# Allegro board BeagleBone_AI-64_Rev_B1_PCB_220602.brd (continued)
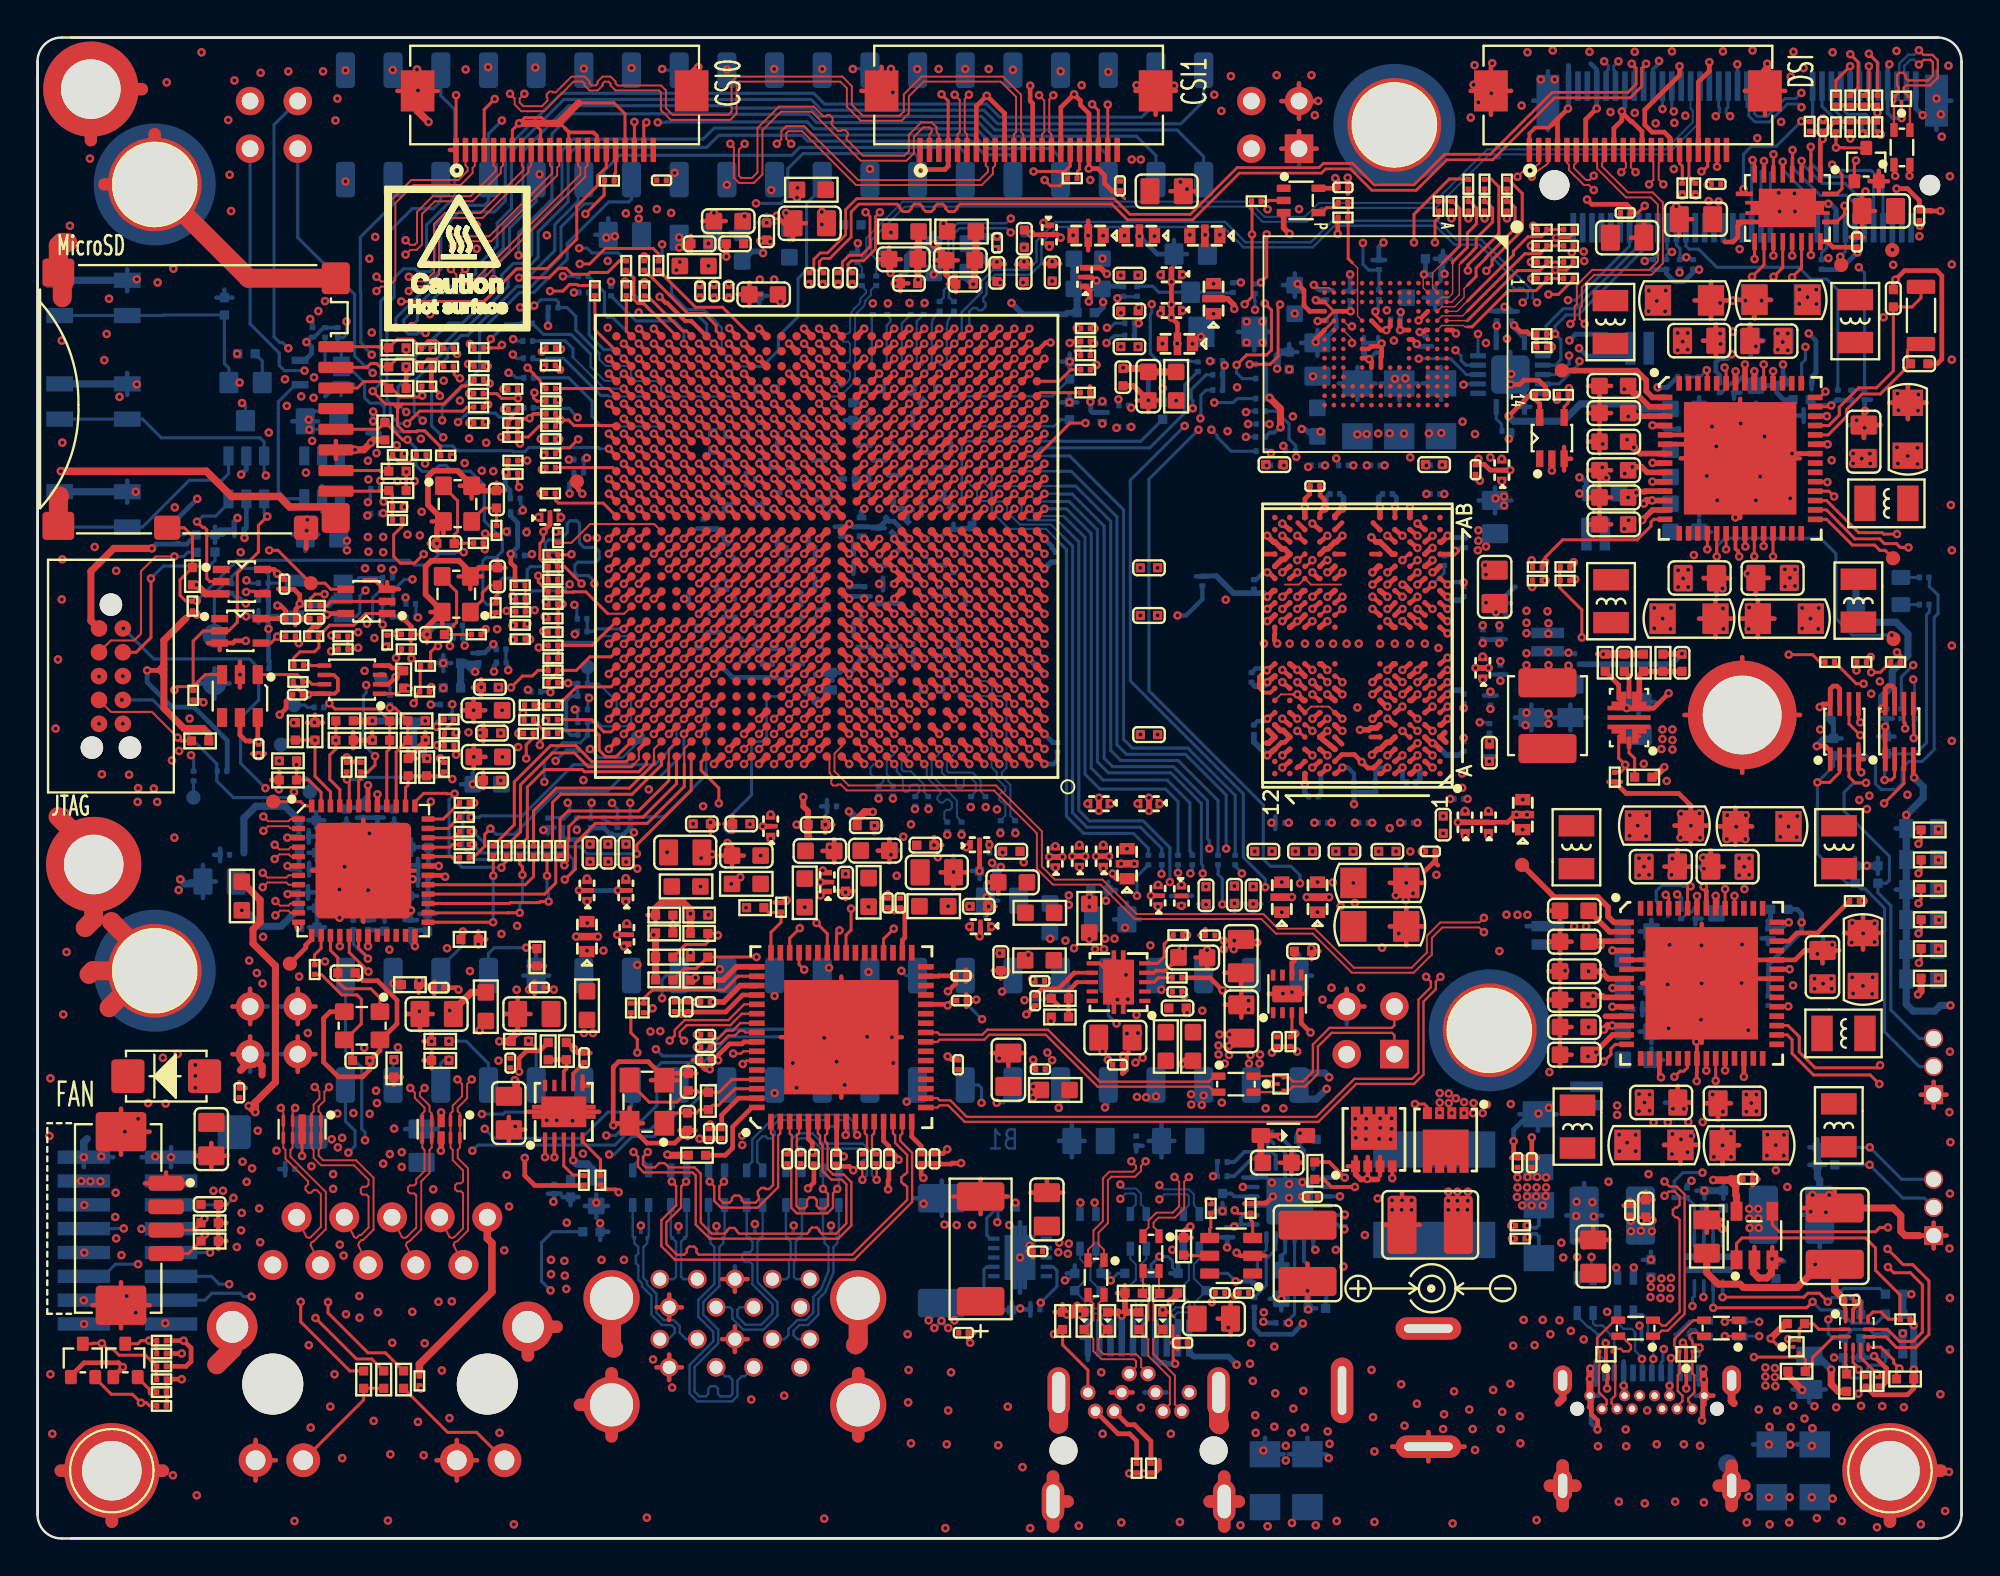
[diagram p0: board, top side]
## Routing (per net, layer and track width the routed paths; a pad name or vN(x,y) marks a point on that pad's centre or on a via; arc(x,y) is an arc through that point) (continued)
VDD_ADC_1V8_3V3_REG: length 1.6
  TOP w0.305: v1(85.16,55.74) 85.21,55.8 85.62,55.8 85.65,55.83 86.7,55.83 U30.11
  vias: v1(84.73,55.49)
VDD_CORE_0V8: length 108.4
  TOP w0.203: C393.3 v1(49.63,32.61) ; U29.22 v1(88.9,24.93) ; C432.1 v1(59.69,33.68) ; FL17.1 v1(40.46,71.47) ; C432.3 v1(59.69,34.84)
  TOP w0.254: C392.1 49.61,36.98 v1(49.48,36.85) ; C438.1 v1(60.94,34.84) ; v1(41.7,34.28) 41.91,34.49 C374.1
  TOP w0.305: v1(43.24,50.88) 42.84,51.28 U19.N14 ; U19.R16 41.24,52.88 v1(40.84,52.48) ; U19.L18 39.63,49.68 v1(39.23,49.28) ; v1(40.84,50.88) 41.24,51.28 U19.N16 ; v1(40.03,48.48) 40.44,48.88 U19.K17 ; U19.P13 43.64,52.08 v1(44.04,51.68) ; U19.U16 41.24,54.48 v1(40.84,54.88) ; FL14.1 v1(34.22,68.04) ; v1(41.64,53.28) 42.04,53.68 U19.T15 ; U19.K15 42.04,48.88 v1(41.64,48.48) ; U19.V20 38.03,55.28 v1(37.63,55.68) ; U19.L16 41.24,49.68 v1(40.84,49.28) ; v1(40.03,51.68) 40.44,52.08 U19.P17 ; U19.R18 39.63,52.88 v1(39.23,52.48) ; U19.P15 42.04,52.08 v1(41.64,51.68) ; U19.T17 40.44,53.68 v1(40.03,53.28) ; v1(37.63,52.48) 38.03,52.88 U19.R20 ; U19.L10 v1(46.44,49.28) ; U19.J10 v1(46.44,47.68) ; v1(41.64,50.08) 42.04,50.48 U19.M15 ; v1(39.23,50.88) 39.63,51.28 U19.N18 ; U19.V17 v1(40.03,55.68) ; U19.K11 v1(45.64,48.48) ; U19.T9 46.84,53.68 v1(47.24,53.28) ; v1(41.64,55.68) 42.04,55.28 U19.V15 ; v1(44.04,48.48) 43.64,48.88 U19.K13 ; C393.1 v1(50.82,32.61) ; U19.U18 v1(39.23,54.88) ; U19.W14 42.84,56.08 v1(42.44,56.49) ; U19.K9 v1(47.24,48.48) ; v1(42.44,54.88) 42.84,54.48 U19.U14 ; U19.R14 42.84,52.88 v1(43.24,52.48)
  TOP w0.381: FL21.1 48.46,69.89 v1(48.26,70.1) ; v1(40.49,71.99) 40.49,72.05 40.46,72.03 FL17.1
  TOP w0.406: FL20.1 v1(48.51,33.7)
  L5-SIGNAL w0.381: v1(48.26,70.1) 46.68,71.67 40.66,71.67 v1(40.46,71.47)
  L7-PWR/GND w0.203: v1(88.9,24.93) 88.01,25.82 86,25.82 84.78,24.6 82.47,24.6 81.81,25.26 81.81,29.15 80.11,30.85 72.51,30.85 72.24,30.57 53.32,30.57 53.1,30.34 50.52,30.34 49.53,31.33 40.1,31.33 39.19,32.25 39.19,34.56 42.42,37.79 42.42,37.85 42.42,37.86 42.42,38.24 42.42,38.24 42.42,47.7 v1(41.64,48.48)
  BOTTOM w0.152: v1(47.24,53.28) 47.26,53.26 47.37,53.26
  BOTTOM w0.203: C202.1 42.97,56.49 ; C123.1 50.72,36.96 v1(50.71,36.98) ; 43.44,52.5 43.44,53.09 v1(43.24,53.28) ; 43.13,53.39 43.11,53.41 C204.1
  BOTTOM w0.254: C207.3 41.58,55.63 v1(41.64,55.68) ; v1(42.44,56.49) 42.44,56.49 42.97,56.49 ; C192.1 44.05,50.75 43.23,50.75 ; C203.1 43.23,50.75 ; 43.23,50.75 43.23,50.88 v1(43.24,50.88) ; v1(43.24,53.28) 43.13,53.39 42.8,53.39 ; v1(50.71,36.98) 50.7,36.97 50.7,36.57 ; v1(42.44,54.88) 42.34,54.79 42.29,54.79 ; FL16.1 v1(40.87,33.65)
  BOTTOM w0.305: C219.3 40.75,49.19 v1(40.84,49.28) ; 41.84,50.04 41.68,50.04 v1(41.64,50.08) ; C219.1 41.54,48.39 v1(41.64,48.48)
  vias: v1(34.03,67.61) v1(41.83,35.6) v1(43.05,35.42) v1(49.64,33.7) v1(54.22,36.9) v1(54.23,35.75) v1(60.94,33.72) v1(62.25,34.75) v1(63.76,34.77) v1(64.76,34.75) v1(66.29,34.98) v1(66.29,33.38) v1(68.19,34.98) v1(68.19,33.38) v1(69.01,34.97) v1(69.42,33.7) v1(70.1,34.94) v1(70.18,33.87) v1(84.26,21.53) v1(84.28,20.64) v1(84.68,21.1) v1(84.82,38.55) v1(84.81,37.45) v1(85.14,21.51) v1(85.14,20.64) v1(85.25,38) v1(85.72,38.55) v1(85.69,37.44) v1(92.16,21.53) v1(92.13,20.41) v1(92.6,20.97) v1(92.85,38.5) v1(92.84,37.4) v1(93.04,21.51) v1(93.03,20.41) v1(93.28,37.95) v1(93.74,38.5) v1(93.72,37.39)
VDD_CORE_RAM_0V85: length 3.1
  TOP w0.254: U19.V16 41.23,55.29 v1(40.84,55.68) ; v1(44.04,55.68) 44.04,55.68 U19.V13 ; U19.L14 v1(43.24,49.28) ; U19.W19 v1(38.43,56.49)
  BOTTOM w0.203: C124.1 v1(51.32,35.79)
  BOTTOM w0.381: C124.1 51.11,35.75 v1(50.85,36.01)
  vias: v1(44.84,54.88)
VDD_CPU_AVS: length 66.2
  TOP w0.203: v1(90.98,52.87) 90.95,52.9 U30.22
  TOP w0.254: C437.3 v1(59.93,63.69) ; C426.1 v1(59.5,69.42) ; C441.3 v1(61.39,69.49) ; C426.3 v1(57.9,69.44) ; C441.1 v1(62.99,69.49) ; C437.1 v1(61.53,63.68) ; C444.1 v1(62.65,65.28) ; C444.3 v1(62.65,66.88)
  TOP w0.305: U19.N10 v1(45.64,51.68) 45.24,52.08 U19.P11 45.24,52.08 v1(45.64,52.48) ; U19.N10 46.04,51.28 v1(45.64,50.88) ; U19.N10 v1(46.44,50.88) ; U19.V11 45.24,55.28 v1(45.64,55.68) ; v1(44.84,53.28) 44.44,52.88 U19.R12 44.44,52.88 v1(44.04,53.28) ; U19.U10 46.04,54.48 v1(46.44,54.88) ; v1(47.24,55.68) 46.84,55.28 U19.V9 ; 51.11,67 C395.1 51.23,67 v1(51.28,66.95) ; v1(46.44,52.48) 46.04,52.88 U19.R10 46.04,52.88 v1(45.64,53.28) ; U19.W10 46.04,56.08 v1(46.44,56.49) ; v1(56,65.93) 56.06,65.98 56.06,66.51 55.83,66.73 C415.1 ; C415.3 56.62,67.73 56.94,67.4 v1(56.97,67.4)
  L10-SIGNAL w0.203: v1(44.04,54.88) 44.04,54.44 44.5,53.99 55.48,53.99 57.91,56.43 75.61,56.43 79.14,52.9 85.98,52.9 87.04,53.97 90.33,53.97 90.98,53.32 v1(90.98,52.87)
  BOTTOM w0.203: v1(45.64,52.48) 45.78,52.62 C168.1 ; C80.1 v1(70.31,58.86)
  BOTTOM w0.254: v1(46.44,54.88) 46.46,54.86 46.56,54.86 ; 45.59,54.78 45.59,54.84 v1(45.64,54.88) ; C105.1 62,64.08 v1(61.97,64.05)
  BOTTOM w0.305: C169.3 45.6,53.32 v1(45.64,53.28) ; C169.1 46.3,54.61 46.56,54.86 ; v1(46.44,54.88) 45.69,54.88 45.59,54.78 45.59,55.54 45.72,55.67 ; v1(44.04,54.88) 43.89,54.73 C195.1
  vias: v1(52.5,66.95) v1(54.05,67.02) v1(57.71,67.33) v1(57.71,65.32) v1(57.71,63.52) v1(59.81,67.35) v1(59.81,65.29) v1(61.01,67.36) v1(61.01,65.45) v1(70.81,58.87) v1(71.42,58.89) v1(72.03,58.91) v1(72.79,58.89) v1(74.12,58.9) v1(74.78,58.93) v1(86.13,49.6) v1(86.13,48.51) v1(86.57,49.03) v1(87.02,49.6) v1(86.99,48.48) v1(93.86,66.57) v1(93.85,65.8) v1(94,49.6) v1(94,48.51) v1(94.29,66.16) v1(94.44,49.03) v1(94.76,66.57) v1(94.77,65.8) v1(94.87,48.48) v1(94.89,49.6)
VDD_CPU_RAM_0V85: length 11.2
  TOP w0.254: U19.L11 v1(45.64,49.28) ; U19.W12 44.84,56.48 v1(44.84,56.49)
  L5-SIGNAL w0.152: v1(45.64,49.28) 45.22,49.7 43.88,49.7 43.65,49.92 43.65,55.86 43.86,56.07 44.43,56.07 v1(44.84,56.49)
  BOTTOM w0.165: v1(56.03,34.18) 56.11,34.26 C112.1
  vias: v1(51.11,38.86) v1(56.03,33.67)
VDD_DDR_1V1: length 70.5
  TOP w0.102: U25.F8 68.79,44.34 68.45,44.34 68.45,44.34 68.18,44.34 68.18,44.34 67.84,44.34 U25.F10 ; 69.45,50.84 67.84,50.84 U25.U10 67.19,50.84 66.45,50.84
  TOP w0.203: U25.H12 65.68,45.08 65.34,45.08 65.07,45.35 65.07,45.94 65.4,46.27 v1(65.49,46.27) ; C413.1 v1(55.5,35.78) ; C418.1 v1(56.77,35.71) ; v1(57.27,35.44) 57.27,35.32 57.43,35.16 C422.1 ; 68.33,56.1 C460.1
  TOP w0.229: 67.21,44.37 67.21,44.32 U25.F10 ; U19.T1 53.24,53.68
  TOP w0.254: C477.1 v1(78.01,56.35) ; 53.24,53.68 U19.T1 53.24,53.68 ; 53.24,53.68 53.24,53.68 ; 53.24,53.68 53.24,53.68 ; C475.1 v1(77.35,42.51) ; v1(48.84,50.08) 48.44,50.48 U19.M7 ; U25.N1 v1(75.11,48.24) ; U25.H1 v1(75.11,45.64) ; v1(48.84,53.28) 48.44,53.68 U19.T7 ; U25.N12 65.91,48.17 65.89,48.14 65.89,47.85 v1(66.04,47.7) ; U25.W12 65.34,52.47 ; 71.15,54.15 71.15,54.13 U25.AA5 ; v1(48.84,51.68) 48.44,52.08 U19.P7 ; v1(88.76,34.74) 88.72,34.74 88.72,34.69 88.9,34.51 U29.49 ; U19.N8 v1(48.04,50.88) ; C474.1 v1(77.29,37.46) ; U19.K7 v1(48.84,48.48) ; v1(69.51,51.5) 69.12,51.18 U25.U8 ; U25.U5 71.51,51.17 v1(71.11,50.84) ; U25.R12 v1(65.51,49.54) ; v1(49.64,47.68) 49.24,48.08 U19.J6 ; U25.B5 71.23,41.14 71.16,41.06 70.87,41.06 v1(70.55,41.39) 70.15,41.78 69.48,41.78 U25.B8 ; 76.61,56.69 76.61,56.6 v1(76.83,56.38) ; v1(69.51,50.19) 69.12,49.87 U25.R8 ; U25.AA8 69.5,54.15 ; U25.W5 71.05,52.47 ; U25.H5 71.51,45.31 v1(71.11,44.99) ; 68.33,56.1 68.33,55.59 68.57,55.35 v1(68.57,54.9) 68.31,54.64 U25.AB9 ; v1(49.64,52.49) 49.24,52.88 U19.R6 ; U25.F5 71.51,44.02 v1(71.11,43.69) ; U25.F8 v1(69.51,43.69) ; 65.49,46.27 65.91,46.62 U25.K12 ; C470.1 v1(74.88,38.5) ; U25.AA3 v1(73.51,53.45) ; U25.B10 67.23,41.14 67.15,41.14 67.08,41.07 ; v1(75.11,46.94) U25.K1 ; U25.U3 73.11,51.17 v1(73.51,51.5) ; 69.5,42.34 69.4,42.44 69.4,42.44 U25.D8 ; C479.1 v1(79.11,37.78) ; U25.R5 v1(71.11,50.19) ; U25.R1 v1(75.11,49.54) ; v1(47.24,50.08) 47.23,50.08 46.84,50.47 U19.M9 ; v1(67.91,46.29) U25.K10 ; U25.A4 72.31,40.77 v1(72.71,41.09) ; U25.D5 71.02,42.72 ; U19.L8 47.64,49.68 v1(48.04,49.28) ; U25.F3 73.11,44.02 v1(73.51,43.69) ; U19.J8 v1(48.04,47.68) ; U25.W8 69.59,52.47 ; 65.49,46.27 v1(65.49,46.27) ; U19.G8 47.71,46.4 v1(48.04,46.08) ; U25.N3 v1(72.71,48.89) ; v1(48.04,52.49) 47.64,52.88 U19.R8 ; 53.24,53.68 v1(53.64,53.28) ; v1(75.51,52.65) 75.64,52.65 75.46,52.47 U25.W1 ; U25.AA10 67.13,54.15 ; U25.N10 v1(67.91,48.89) ; C471.1 v1(76.05,37.45) ; U19.H7 v1(48.84,46.88) ; U25.A9 68.35,40.75 68.71,41.05 v1(68.71,41.09) ; U19.A1 v1(53.64,41.28) ; U25.B3 v1(73.51,41.74) ; v1(72.71,46.29) U25.K3 ; 75.93,42.72 v1(75.97,42.67) ; C477.3 v1(78.01,57.54) ; U25.AB4 v1(72.31,54.96) ; 73.92,36.62 v1(73.74,36.62)
  TOP w0.305: U25.H8 v1(69.51,44.99) ; 65.48,42.4 65.59,42.4 U25.D12 65.57,43.06 65.57,43.07 ; 74.72,42.72 74.97,42.96 ; 74.72,42.72 74.75,42.72 75.03,42.45 ; 74.72,42.72 U25.D1
  L9-PWR/GND w0.381: v1(88.76,34.74) 88.76,34.93 88.14,35.55 88.14,35.98 86.69,37.43 86.69,38.65 86.24,39.1 80.73,39.1 80.64,39.01
  BOTTOM w0.076: 64.69,46.17 64.67,46.16 C103.1 ; R39.1 74.93,52.4 ; C69.1 72.9,40.31
  BOTTOM w0.203: 68.25,39.59 68.23,39.57 C90.1 ; C50.1 v1(77.88,48.67) ; C82.1 68.84,55.67 ; C57.1 75.81,52.81 75.78,52.79 ; R42.1 71.27,39.77 ; C56.1 v1(76.99,48.67) ; R38.1 77.35,42.9 ; C115.1 54.33,41.88 ; C55.1 77.35,42.21 ; C116.1 54.26,52.57 54.24,52.59 ; R43.1 70.13,39.77 ; R44.1 69.85,57.2 ; C73.1 72.19,55.67
  BOTTOM w0.229: 72.9,40.31 72.89,40.31 72.72,40.48 ; 75.64,52.65 75.78,52.79 76.04,52.79 ; 68.84,55.67 68.81,55.67 68.66,55.52 ; 72.19,55.67 72.21,55.67 72.39,55.49 ; 53.72,53.26 53.66,53.26 ; 68.25,39.55 68.25,39.59 68.37,39.72 ; 65.13,46.38 64.89,46.38 64.69,46.17 64.67,46.17
  BOTTOM w0.254: 54.26,52.59 54.24,52.59 54.03,52.8 54.03,52.89 v1(53.64,53.28) ; v1(65.49,46.27) 65.38,46.38 65.13,46.38 ; v1(53.64,41.28) 54.13,41.28 54.33,41.48 54.33,41.88 ; v1(68.57,54.9) 68.66,54.99 68.66,55.52 ; v1(75.51,52.65) 75.64,52.65 75.41,52.42 74.95,52.42 74.93,52.4 ; 77.35,42.9 v1(77.35,42.51) 77.35,42.21 ; 69.85,57.2 v1(70.1,57.2) ; v1(72.31,54.96) 72.39,55.04 72.39,55.49 ; v1(68.71,41.09) 68.37,40.75 68.37,39.72 ; 71.27,39.77 70.13,39.77 v1(70.13,39.14) ; v1(72.71,41.09) 72.72,41.09 72.72,40.48
  vias: v1(55.5,36.97) v1(55.93,39.16) v1(56.77,36.97) v1(57.18,39.16) v1(58.04,36.76) v1(58.6,39.16) v1(58.75,51.74) v1(58.75,49.2) v1(58.75,42.85) v1(59.79,39.16) v1(63.3,50.04) v1(64.85,36.62) v1(66.4,57.2) v1(67,36.62) v1(68.94,38.15) v1(69.16,36.62) v1(70.31,44.29) v1(71.45,36.62) v1(73.51,38.15) v1(74.63,47.47) v1(74.83,57.22) v1(76.05,38.78) v1(76.18,39.42) v1(76.99,47.01) v1(76.99,45.77) v1(77.11,51.88) v1(77.16,51.38) v1(77.29,38.78) v1(77.93,46.76) v1(79.12,39.38) v1(79.32,49.45) v1(79.32,48.81) v1(79.32,48.25) v1(80.44,49.42) v1(80.48,48.23) v1(80.49,48.78)
VDD_DDR_1V1_REG: length 16.7
  TOP w0.305: R348.1 C504.1 v1(87.6,47.16)
  TOP w0.381: v1(86.66,41.11) 86.13,40.58 R347.1
  L10-SIGNAL w0.305: v1(80.49,46.55) 80.49,45.41 83.64,42.26 85.52,42.26 v1(86.66,41.11)
  BOTTOM w0.305: 82.14,46.6 87.05,46.6 v1(87.6,47.16) ; 81.89,47.16 81.89,47.16
  vias: v1(79.32,47.18) v1(79.32,46.55) v1(80.48,47.25) v1(81.56,47.21) v1(81.56,46.52)
VDD_DDR_1V8: length 7
  TOP w0.229: v1(75.11,50.84) 74.71,51.17 U25.U1 ; U25.G9 v1(67.91,44.99) ; v1(75.11,44.34) 74.71,44.02 U25.F1 ; U25.F12 v1(65.51,43.69) ; U25.G4 v1(71.91,44.99) ; U25.T4 v1(72.71,50.19)
  TOP w0.254: U25.U12 65.59,51.5 v1(65.51,51.5) ; U25.T9 68.31,50.52 v1(67.91,50.19)
  BOTTOM w0.076: 64.94,51.13 64.92,51.1 C99.1 ; C100.1 64.8,43.36 64.82,43.38
  BOTTOM w0.229: 75.97,50.93 75.93,50.98 75.24,50.98 v1(75.11,50.84) ; v1(65.51,51.5) 65.31,51.5 64.94,51.13 64.8,51.13 ; 64.8,43.38 64.82,43.38 65,43.56 65.38,43.56 v1(65.51,43.69)
  vias: v1(66.65,38.15) v1(68.59,57.2) v1(71.1,38.15) v1(71.76,57.2) v1(74.94,55.67) v1(75.97,50.96) v1(75.97,44.26) v1(76.76,53.74) v1(76.76,53.18) v1(76.73,52.67) v1(77.16,52.87) v1(77.4,44.22)
VDD_IO_1V8_REG: length 2.1
  TOP w0.305: C485.1 82.84,28.92 v1(82.88,28.92) 83.38,28.92 83.46,28.84 U29.9
  vias: v1(82.6,28.49)
VDD_MCU_0V85: length 21.3
  TOP w0.203: FL13.1 v1(35.31,34.75) ; C345.3 v1(31.34,35.19) ; C340.3 v1(29.27,35.18)
  TOP w0.254: C345.1 v1(31.34,33.95) ; C343.1 v1(29.42,37.01) ; C346.1 v1(31.35,37.01) ; C341.1 v1(29.27,31.33) ; v1(29.28,32.81) 29.27,32.82 C341.3 ; C347.1 31.27,31.56 v1(31.24,31.56) ; C347.3 v1(31.39,32.78) ; C344.1 v1(30.39,37.01) ; C340.1 v1(29.27,33.95)
  TOP w0.305: U19.N20 38.03,51.28 v1(37.63,50.88) ; v1(38.43,51.68) 38.83,52.08 U19.P19 ; U19.M19 38.83,50.48 v1(38.43,50.08) ; U19.L20 38.03,49.68 v1(37.63,49.28) ; U30.50 90.45,62.21 v1(90.46,62.21) ; U19.M21 37.23,50.48 v1(36.83,50.08)
  L5-SIGNAL w0.381: v1(90.46,62.21) 90.47,62.2 90.47,61.81 90.19,61.54 86.94,61.54 85.04,63.44 v1(82.12,63.44)
  BOTTOM w0.203: C255.1 37.09,50.09
  BOTTOM w0.254: 37.09,50.09 36.84,50.09 v1(36.83,50.08) ; v1(82.12,63.44) 82.54,63.02 84.67,63.02 84.85,63.2 R29.2 84.33,63.44 83.58,64.19 81.94,64.19 v1(81.61,63.86)
VDD_MCU_0V85_REG:
  vias: v1(85.83,66.52) v1(85.83,65.41) v1(86.27,65.96) v1(86.73,66.52) v1(86.71,65.4)
VDD_MCU_RAM_0V85: length 1.2
  TOP w0.203: 33.54,36.57 v1(33.54,36.58) ; C354.1 v1(34.93,38.09)
  TOP w0.305: v1(38.43,53.28) 38.83,53.68 U19.T19 ; U19.K19 38.83,48.88 v1(38.43,48.48)
VDD_MMC1: length 0.5
  BOTTOM w0.254: v1(17.88,59.55) v1(17.88,60.06)
VDD_PHYIO_1V8: length 1.9
  TOP w0.203: FL15.1 v1(36.96,34.89)
  TOP w0.305: FL19.1 v1(45.46,69.61) ; U30.37 v1(95.36,58.32)
  BOTTOM w0.254: FL2.1 68.03,58.89 67.77,58.89 67.56,59.1 67.31,59.1 67.31,59.14 v1(67.35,59.14)
  BOTTOM w0.406: FL18.1 v1(44.27,33.67)
  vias: v1(37.44,35.25) v1(68.35,59) v1(99.06,58.16) v1(99.11,57.29) v1(99.63,57.7) v1(100.15,58.13) v1(100.15,57.27)
VDD_RAM_0V85_REG: length 4.9
  TOP w0.203: FL25.1 v1(56.03,31.95)
  TOP w0.254: U29.37 v1(93.34,30.34)
  L10-SIGNAL w0.381: v1(96.67,29.91) 96.24,30.34 94.45,30.34 94.45,30.34 v1(93.34,30.34)
  BOTTOM w0.203: v1(53.95,31.97) 53.93,31.99 FL4.1
  vias: v1(54.76,31.87) v1(96.72,29.05) v1(97.24,29.45) v1(97.76,29.91) v1(97.74,29.02)
VDD_SD_DV: length 18.8
  TOP w0.203: v1(19.56,57.83) 19.48,57.75 19.45,57.75 ; 21.38,61.05 21.03,61.41 R203.1 ; 20.98,63.43 20.98,63.42 v1(21.08,63.31) ; 19.45,54.98 v1(19.56,54.98) ; R202.1 20.98,62.46
  TOP w0.254: 20.98,62.46 20.98,61.44 21.01,61.41 ; 21.38,61.05 21.38,60.95 v1(21.44,60.9)
  TOP w0.305: U19.T20 38.03,53.68 v1(37.63,53.28) ; U19.T22 36.43,53.68 v1(36.03,53.28)
  L5-SIGNAL w0.305: 36.03,53.29 35.54,53.79 28.8,53.79 27.48,52.47 v1(26.34,52.47) ; 36.03,53.29 v1(36.03,53.28) ; 36.03,53.29 36.54,53.79 37.12,53.79 v1(37.63,53.28)
  L5-SIGNAL w0.381: v1(21.44,60.9) 21.08,61.26 v1(21.08,63.31)
  BOTTOM w0.203: C279.1 25.96,52.4
  BOTTOM w0.254: v1(26.34,52.47) 26.27,52.4 25.96,52.4
  vias: v1(19.71,53.51) v1(20.37,53.47) v1(29.28,53.33) v1(29.79,53.33) v1(84.15,23.08) v1(84.15,22.57)
VDD_SD_DV_REG: length 2
  TOP w0.305: v1(83.03,25.92) 83.11,26 83.11,26.04 83.9,26.84 U29.13
  vias: v1(82.6,25.7)
VDDA_0P8_CSIRX: length 2.2
  TOP w0.305: U19.H17 40.44,47.28 v1(40.03,46.88)
  BOTTOM w0.203: C222.1 40.22,46.7 40.2,46.72
  BOTTOM w0.254: 40.2,46.63 40.2,46.72 v1(40.03,46.88)
  BOTTOM w0.381: 41.09,37.41 41.05,37.45 41.05,38.05 C213.1 v1(40.44,38.05)
VDDA_0P8_DLL_MMC0: length 19.4
  TOP w0.254: U19.Y9 46.84,56.89 v1(47.24,57.29)
  L10-SIGNAL w0.152: v1(47.24,57.29) 47.62,56.9 48.2,56.9 48.44,57.14 48.44,61.43 48.68,61.67 48.97,61.67 49.22,61.93 49.22,63.02 49.51,63.3 49.8,63.3 50.05,63.55 50.05,63.85 50.31,64.1 50.6,64.1 50.85,64.35 50.85,64.82 51.08,65.05
  L10-SIGNAL w0.305: v1(51.89,65.86) 51.08,65.05
  BOTTOM w0.305: v1(51.89,65.86) 52.5,65.24 54.77,65.24 54.86,65.33 C114.1
  BOTTOM w0.381: FL3.2 55.21,67.46 55.21,67.45 C113.1 55.38,66.43 C114.1
VDDA_0P8_DP: length 1.1
  TOP w0.305: U19.G12 44.44,46.48 v1(44.84,46.08) ; v1(44.84,47.68) 44.44,48.08 U19.J12
  vias: v1(46.53,38.07)
VDDA_0P8_DP_C: length 2.5
  TOP w0.305: U19.G14 42.84,46.48 v1(43.24,46.08) ; v1(44.04,46.88) 43.64,47.28 U19.H13
  BOTTOM w0.305: v1(44.04,46.88) 44.04,46.95 44.01,46.99 44.01,46.97 43.66,46.63 43.66,46.5 v1(43.24,46.08)
  vias: v1(46.12,37.41)
VDDA_0P8_DSITX: length 3.4
  TOP w0.305: v1(40.79,39.52) 40.79,39.02 41.05,38.77 41.05,38.05 ; v1(40.84,47.68) 41.24,48.08 U19.J16 ; v1(41.64,46.88) 42.04,47.28 U19.H15
  TOP w0.381: 41.09,37.4 41.05,37.44 41.05,38.05
  BOTTOM w0.305: 40.77,39.55 v1(40.79,39.52)
VDDA_0P8_PLL_DDR: length 0.6
  TOP w0.305: U19.N9 46.84,51.28 v1(47.24,50.88)
  vias: v1(52.54,36.04)
VDDA_0P8_PLL_MLB: length 16.8
  TOP w0.254: v1(48.04,56.49) 47.64,56.09 U19.W8
  TOP w0.381: FL26.2 C427.1 58.99,62.36 C420.1
  L3-SIGNAL w0.152: 53.74,61.41 52.73,61.41 52.19,60.87 51.88,60.87 51.65,60.65 51.65,60.33 51.39,60.07 51.08,60.07 50.85,59.85 50.85,59.53 50.59,59.27 50.28,59.27 50.05,59.05 50.05,58.73 49.79,58.47 49.48,58.47 49.25,58.25 49.25,57.93 48.99,57.67 48.68,57.67 48.45,57.45 48.45,56.9 v1(48.04,56.49)
  L3-SIGNAL w0.381: v1(57.83,62.4) 57.48,62.04 56.2,62.04 56.15,62.09 54.43,62.09 53.74,61.41
VDDA_0P8_SERDES: length 4.6
  TOP w0.305: v1(44.84,58.09) 44.44,57.69 U19.AA12 ; U19.Y13 43.64,56.89 v1(44.04,57.29) ; C352.1 v1(35.73,69.03) ; v1(40.84,57.29) 41.24,56.89 U19.Y16 ; U19.AA15 42.04,57.69 v1(41.64,58.09) ; U19.Y11 45.24,56.89 v1(45.64,57.29) ; U19.Y14 42.84,56.89 v1(42.44,57.29) ; FL14.2 v1(35.74,67.83)
  L12-SIGNAL w0.406: v1(45.64,57.29) v1(44.84,58.09)
VDDA_0P8_SERDES_C: length 3
  TOP w0.305: U19.AB14 42.84,58.49 v1(42.44,58.89) ; v1(41.64,58.89) 42.04,58.49 U19.AB15 ; U19.AB13 43.64,58.49 v1(44.04,58.89) ; C369.1 42.03,70.46 v1(41.78,70.7) ; v1(44.84,58.89) 44.44,58.49 U19.AB12
  vias: v1(41.78,70.04)
VDDA_0P8_USB: length 15.7
  TOP w0.305: U19.AA10 46.04,57.69 v1(46.44,58.09) ; U19.AB9 v1(47.24,58.88)
  TOP w0.381: FL21.2 49.99,68.19 C389.1 49.92,66.94 C390.1 v1(49.85,66.86)
  L5-SIGNAL w0.152: v1(47.24,58.88) 47.63,59.27 48.21,59.27 48.44,59.51 48.44,64.75 48.71,65.01 49.5,65.01
  L5-SIGNAL w0.381: 49.5,65.01 49.85,65.36 v1(49.85,66.86)
  L5-SIGNAL w0.406: v1(46.44,58.09) 46.81,58.45 46.81,58.45 v1(47.24,58.88)
  BOTTOM w0.406: v1(49.85,66.86) 49.56,67.15 C238.1
VDDA_1P8_CSI_RX: length 0.6
  TOP w0.203: C363.1 v1(37.95,38.08)
  TOP w0.254: C364.1 v1(38.52,36.4)
  TOP w0.305: v1(40.84,46.08) 41.24,46.48 U19.G16
VDDA_1P8_DP: length 1.9
  TOP w0.305: v1(45.64,46.88) 45.24,47.28 U19.H11
  TOP w0.406: v1(44.5,38.73) 44.07,38.73 43.66,38.32 C378.1
VDDA_1P8_DSITX: length 33.9
  TOP w0.254: 48.46,56.11 U19.W7 48.44,56.09 v1(48.84,56.49) 48.83,56.49
  TOP w0.305: U19.J14 42.84,48.08 v1(43.24,47.68) ; U19.AC8 47.64,59.29 v1(48.04,59.69)
  L5-SIGNAL w0.152: v1(48.04,59.69) 47.63,60.1 47.63,64.69 48.44,65.5
  L5-SIGNAL w0.381: 48.44,65.5 48.44,66.69 v1(47.75,67.38)
  L10-SIGNAL w0.127: 43.56,56.11 43.35,55.9 ; 43.56,56.11 43.36,56.11 43.35,56.1 ; 43.56,56.11 43.59,56.11 ; 43.59,56.11 43.35,56.35 ; 43.59,56.11 48.46,56.11 v1(48.84,56.49) ; 43.47,56.89 46.57,56.89 46.81,57.13 46.81,57.39 47.08,57.66 47.34,57.66 47.65,57.97 47.65,58.49 47.65,58.5 47.65,59.3 v1(48.04,59.69)
  L10-SIGNAL w0.305: v1(43.24,47.68) 42.7,48.22 42.7,54.25 43.35,54.9 43.35,56.77 43.47,56.89
  BOTTOM w0.381: C149.1 v1(47.75,67.38)
  BOTTOM w0.406: v1(43.23,38.75) 43.66,38.32 C191.1
VDDA_1P8_SERDES: length 2.5
  TOP w0.305: v1(45.64,59.69) 45.24,59.29 U19.AC11 ; v1(44.84,59.69) 44.44,59.29 U19.AC12 ; U19.AC15 v1(41.64,59.68) ; U19.AC14 42.84,59.29 v1(42.44,59.69)
  BOTTOM w0.254: C87.1 v1(67.95,61.95) ; C94.1 v1(66.68,62.31)
VDDA_1P8_USB: length 12
  TOP w0.305: v1(47.24,59.69) 46.84,59.29 U19.AC9
  TOP w0.381: FL19.2 46.94,68.23 C382.1 46.89,67.12 v1(46.91,67.1)
  L5-SIGNAL w0.152: 47.88,65.5 47.42,65.04 47.04,65.04 46.84,64.84 46.84,60.08 v1(47.24,59.69)
  L5-SIGNAL w0.381: 47.88,65.5 47.88,66.41 47.55,66.74 47.27,66.74 v1(46.91,67.1)
VDDA_LM5141: length 4.1
  BOTTOM w0.165: 63.71,16.59 63.68,16.56 C106.2
  BOTTOM w0.203: 64.06,16.74 63.86,16.74 v1(63.75,16.63) 63.71,16.59 63.37,16.59 ; 64.06,16.74 U3.1 ; 64.06,16.74 64.11,16.78 64.11,17.09 64.26,17.24 U3.2 ; U3.5 v1(64.21,18.74) ; v1(68.07,15.38) 67.96,15.49 U3.19
VINT_LEOA_1V8: length 13.3
  TOP w0.203: R338.1 81.65,51.78
  TOP w0.254: v1(81.84,52.04) 81.65,51.85 81.65,51.78
  TOP w0.305: U30.2 85.87,60.32 85.16,61.03 85.01,61.03 84.78,61.26 v1(84.53,61.26)
  L5-SIGNAL w0.381: v1(84.53,61.26) 83.97,60.7 83.97,59.76 82.65,58.44 82.65,52.85 v1(81.84,52.04)
VINT_LEOB_1V8: length 2.5
  TOP w0.305: U29.2 83.75,32.34 C482.1
A23_USB_HUB_RST: length 16
  TOP w0.165: U19.A23 35.35,41.39 35.35,40.94 36.29,40 v1(36.29,39.18) ; v1(32.76,28.26) 32.5,28 32.29,28 R289.1
  L10-SIGNAL w0.102: v1(36.29,39.18) 35.41,38.29 35.41,37.66 33.25,35.5 33.25,29.99 32.76,29.51 v1(32.76,28.26)
AA1_UART1_CTSN: length 47
  TOP w0.165: v1(55.83,59.45) 55.01,59.45 U19.AA1 ; U32.13 91.97,67.89 v1(91.34,67.25)
  L3-SIGNAL w0.102: v1(91.34,67.25) 91.34,66.84 91.37,66.81 91.37,64.76 90.94,64.33 v1(90.32,64.33)
  L5-SIGNAL w0.102: v1(55.83,59.45) 56.21,59.83 57.31,59.83 58.15,60.67 58.65,60.67 59.11,60.21 60.78,60.21 61.92,61.36 v1(63.9,61.36)
  L10-SIGNAL w0.102: v1(90.32,64.33) 90.32,63.94 90.07,63.68 90.07,63.47 89.76,63.16 89.23,63.16 87.83,61.76 83.03,61.76 82.94,61.68 81.21,61.68 80.47,60.93 67,60.93 66.29,61.64 64.18,61.64 v1(63.9,61.36)
AA2_UART0_RTSN: length 18
  TOP w0.229: v1(52.84,58.09) 52.84,58.08 U19.AA2
  L10-SIGNAL w0.102: v1(64.86,65.49) 64.87,65.49 64.87,65.5 64.82,65.5 64.56,65.23 64.01,65.23 61.76,62.98 55.83,62.98 54.07,61.23 54.07,58.76 53.72,58.41 53.41,58.41 53.08,58.09 v1(52.84,58.09)
  BOTTOM w0.165: v1(64.86,65.49) 64.86,65.93 64.84,65.95 R55.1
AA3_I2C6_SCL: length 7.1
  TOP w0.229: v1(52.04,58.09) 51.64,57.69 U19.AA3
  L3-SIGNAL w0.102: v1(52.04,58.09) 52.04,58.38 52.48,58.81 52.48,59.03 52.69,59.25 54.46,59.25 54.73,58.97 56.84,58.97 57.07,59.2 v1(57.48,59.2)
  BOTTOM w0.165: 57.58,59.25 57.53,59.2 v1(57.48,59.2)
AA4_UART1_RXD: length 51.4
  TOP w0.165: v1(92.48,67.25) 92.97,67.74 U32.15
  TOP w0.229: v1(51.24,58.09) 50.84,57.69 U19.AA4
  L5-SIGNAL w0.102: v1(51.24,58.09) 50.88,58.45 50.88,59.03 51.09,59.25 51.31,59.25 51.6,59.54 51.6,59.76 51.97,60.12 52.19,60.12 52.48,60.41 52.48,60.83 53.64,61.99 61.14,61.99 61.26,62.12 64.83,62.12 65.54,62.83 67.71,62.83 68.07,62.48 71.4,62.48 72.97,64.04 72.97,65.16 73.84,66.03 76.38,66.03 77.38,65.03 80.6,65.03 80.92,65.35 84.73,65.35 85.29,64.79 87.32,64.79 89.18,66.64 91.87,66.64 v1(92.48,67.25)
AA6_I2C1_SDA: length 148.9
  TOP w0.165: v1(65.38,65.83) 65.73,65.47 65.73,63.34 65.48,63.08 64.41,63.08 v1(63.88,62.55) ; v1(98.55,15.43) 99.39,14.6 99.9,14.6 100.76,13.73 100.76,10.88 100.06,10.18 99.03,10.18 98.46,10.75 U21.7 ; J15.21 v1(57.01,76.43)
  TOP w0.229: U19.AA6 49.64,58.08 v1(49.64,58.09)
  L5-SIGNAL w0.102: v1(65.38,65.83) 64.47,66.73 64.47,68.56 61.75,71.29 61.75,75.15 60.47,76.43 v1(57.01,76.43)
  L10-SIGNAL w0.102: v1(98.55,15.43) 98.19,15.79 98.19,18.89 98.93,19.63 98.93,27.55 99.53,28.15 99.53,37.52 100.73,38.73 100.73,40.88 99.02,42.59 99.02,46.66 97,48.68 97,55.08 98.3,56.38 98.3,61.74 98.72,62.16 98.72,65.24 96.3,67.66 90.21,67.66 88.92,66.36 87.78,66.36 87.37,65.96 87.37,65.17 86.94,64.74 84.78,64.74 84.66,64.86 83.34,64.86 82.8,64.33 81.51,64.33 81.2,64.64 80.66,64.64 79.24,63.21 76,63.21 75.27,62.49 68.97,62.49 68.12,63.34 64.67,63.34 v1(63.88,62.55)
  L12-SIGNAL w0.102: v1(49.64,58.09) 50.05,57.68 50.6,57.68 50.85,57.44 50.85,57.12 51.08,56.89 54.03,56.89 54.67,57.53 64.14,57.53 64.94,58.33 64.94,61.05 63.88,62.11 v1(63.88,62.55)
  BOTTOM w0.165: v1(63.88,62.55) 63.88,62.13 64.18,61.82 R51.2
AA24_PRG0_PRU1_GPO7: length 41.9
  TOP w0.229: v1(34.43,58.08) 34.83,57.68 U19.AA24
  L5-SIGNAL w0.102: v1(17.6,57.45) 19.78,57.45 20.57,58.23 23.11,58.23 23.72,58.84 24.07,58.84 24.3,59.08 24.86,59.08 24.94,59 29.42,59 29.97,58.45 31.38,58.45 31.6,58.23 31.6,58.01 31.96,57.65 34,57.65 v1(34.43,58.08)
  L10-SIGNAL w0.102: v1(17.6,57.45) 16.76,57.45 16.51,57.7 16.51,63.64 17.35,64.48 17.35,67.45 17.7,67.81 17.93,67.81 18.41,68.29 18.41,77.77 v1(18.92,78.27)
AA25_PRG0_UART0_TXD: length 31.7
  TOP w0.229: v1(33.63,58.08) 34.03,57.68 U19.AA25
  L5-SIGNAL w0.102: v1(33.63,58.08) 33.2,58.52 31.88,58.52 31.6,58.81 31.6,59.03 31.38,59.25 28.02,59.25 27.99,59.22 27.54,59.22 27.52,59.25 25.91,59.25 25.8,59.35 24.25,59.35 23.98,59.07 22.08,59.07 v1(21.56,59.6)
  BOTTOM w0.165: P8.29 31.64,71.39 31.49,71.24 30.43,71.24 28.22,69.03 28.22,68.19 26.44,66.41 25.68,66.41 23.55,64.29 23.55,62.3 21.56,60.31 v1(21.56,59.6)
AA26_GPIO0_81: length 6.4
  TOP w0.165: 27.62,57.86 27.89,58.13 28.34,58.13 v1(28.8,58.59) ; 27.62,57.86 27.6,57.84 R255.1 ; 27.62,57.86 27.62,57.84
  TOP w0.229: U19.AA26 33.23,57.68 v1(32.83,58.08)
  L12-SIGNAL w0.102: v1(28.8,58.59) 29.2,58.59 29.3,58.49 32.43,58.49 v1(32.83,58.08)
AA27_I2C5_SDA: length 43.4
  TOP w0.165: v1(32.43,75.48) 32.3,75.34 J13.21 ; R235.2 v1(26.08,57.45)
  TOP w0.229: U19.AA27 v1(32.03,58.08)
  L3-SIGNAL w0.102: v1(32.03,58.08) 31.62,57.67 30.07,57.67 29.53,57.14 27.89,57.14 27.68,57.34 26.6,57.34 26.49,57.45 v1(26.08,57.45)
  L10-SIGNAL w0.102: v1(19.14,58.27) 19.14,58.81 19.27,58.94 19.27,61.3 20.31,62.34 20.31,65.17 20.6,65.46 20.6,67.01 20.11,67.49 20.11,69.59 21.99,71.47 28.42,71.47 v1(32.43,75.48)
  L12-SIGNAL w0.102: v1(19.14,58.27) 19.15,58.27 19.15,58.26 19.14,58.25 19.07,58.25 19.07,58.23 19.1,58.23 19.14,58.2 23.02,58.2 23.49,57.73 25.8,57.73 v1(26.08,57.45)
AA28_PRG0_PRU1_GPO8: length 31.9
  TOP w0.229: U19.AA28 31.63,57.68 v1(31.23,58.08)
  L5-SIGNAL w0.102: v1(23.9,58.41) 24.19,58.12 24.94,58.12 25.55,58.73 26.02,58.73 26.62,58.13 29.41,58.13 29.82,57.72 30.58,57.72 30.94,58.08 v1(31.23,58.08)
  L10-SIGNAL w0.102: v1(23.9,58.41) 23.9,58.8 23.38,59.32 23.38,59.61 23.32,59.67 23.32,60.82 23.36,60.87 23.36,61.17 23.32,61.22 23.32,63.43 23.4,63.52 23.4,63.82 23.32,63.91 23.32,66.65 24.63,67.97 25.91,67.97 26.44,68.5 26.44,69.38 27.13,70.07 29.18,70.07 29.77,70.65 29.77,71.27 31.28,72.79 v1(33.93,72.79)
  BOTTOM w0.165: v1(33.93,72.79) 34.18,72.54 P8.27
AA29_USD_PWR_EN: length 20
  TOP w0.229: U19.AA29 v1(30.44,58.08)
  BOTTOM w0.114: 29.96,58.08 v1(30.43,58.08)
  BOTTOM w0.165: R153.2 15.32,62.65 15.82,62.15 U6.2 16.86,62.15 17.42,61.59 17.42,60.8 17.7,60.52 18.26,60.52 18.46,60.32 18.46,59.73 19.21,58.99 20.19,58.99 20.24,59.04 20.6,59.04 21.4,58.23 22.11,58.23 22.37,57.98 25.3,57.98 25.35,57.93 25.96,57.93 26.18,58.15 29.89,58.15 29.96,58.08
AB1_EQEP0_B: length 12.6
  TOP w0.229: U19.AB1 53.64,58.88 v1(53.64,58.89)
  L5-SIGNAL w0.102: v1(64.49,59.4) 64.01,58.92 64.01,58.75 63.61,58.35 55.91,58.35 55.38,58.89 v1(53.64,58.89)
  BOTTOM w0.165: R48.1 v1(64.49,59.4)
AB2_UART0_RXD: length 62.1
  TOP w0.229: U19.AB2 52.84,58.88 v1(52.84,58.89) 52.44,58.49 U19.AB2
  L5-SIGNAL w0.102: v1(52.84,58.89) 53.27,58.45 55.48,58.45 55.8,58.13 64.3,58.13 64.95,58.77 64.95,59.56 65.93,60.54 78.88,60.54 80.24,61.9 85.05,61.9 85.44,61.51 85.44,60.98 86.03,60.39 89.18,60.39 92.99,56.58 93.77,56.58 99.92,50.44 v1(99.92,46.55)
  BOTTOM w0.165: v1(99.92,46.55) 99.29,45.91 R373.1
AB3_UART0_TXD: length 62.7
  TOP w0.229: 51.64,58.49 v1(52.04,58.89) 52.04,58.88 U19.AB3 51.64,58.49
  L5-SIGNAL w0.102: v1(52.04,58.89) 52.48,58.45 52.99,58.45 53.54,57.9 64.4,57.9 65.26,58.76 65.26,59.55 65.48,59.77 65.49,59.77 66.03,60.32 78.97,60.32 80.33,61.68 84.96,61.68 85.21,61.42 85.21,60.88 85.93,60.16 89.08,60.16 92.89,56.35 93.68,56.35 99.69,50.34 99.69,47.18 99.49,46.98 99.49,46.22 v1(99.92,45.79)
  BOTTOM w0.165: v1(99.92,45.79) 100,45.71 R375.1
AB4_UART1_TXD: length 53.9
  TOP w0.165: U32.14 v1(92.47,68.38)
  TOP w0.229: U19.AB4 51.24,58.88 v1(51.24,58.89)
  L5-SIGNAL w0.102: v1(92.47,68.38) 92.85,68 92.85,66.81 92.43,66.39 89.56,66.39 88.97,65.8 88.97,63.69 88.01,62.73 86.62,62.73 85.13,64.23 81.65,64.23 81.29,64.58 79.58,64.58 78.56,63.57 77.87,63.57 77.34,64.1 77.34,64.74 76.51,65.57 73.71,65.57 73.42,65.29 73.42,65.29 73.21,65.07 73.21,65.07 73.2,65.07 73.2,63.95 70.81,61.56 67.77,61.56 67.46,61.87 61.35,61.87 60.42,60.94 59.79,60.94 59.62,61.1 54.91,61.1 53.87,60.07 52.71,60.07 52.48,59.84 52.48,59.61 52.15,59.29 51.64,59.29 v1(51.24,58.89)
